# Altium PCB 电解模块主控板_V1.0_ZM_20210726.PcbDoc (part 1 of 2)
Units mm, origin at the board's own origin, x right, y up, seen from the top; angles counter-clockwise.
Board outline 150.25 x 100.26 mm, 2 copper layers (Top Layer, Bottom Layer); 209 components, 149 nets, 716 pads, 1259 vias.
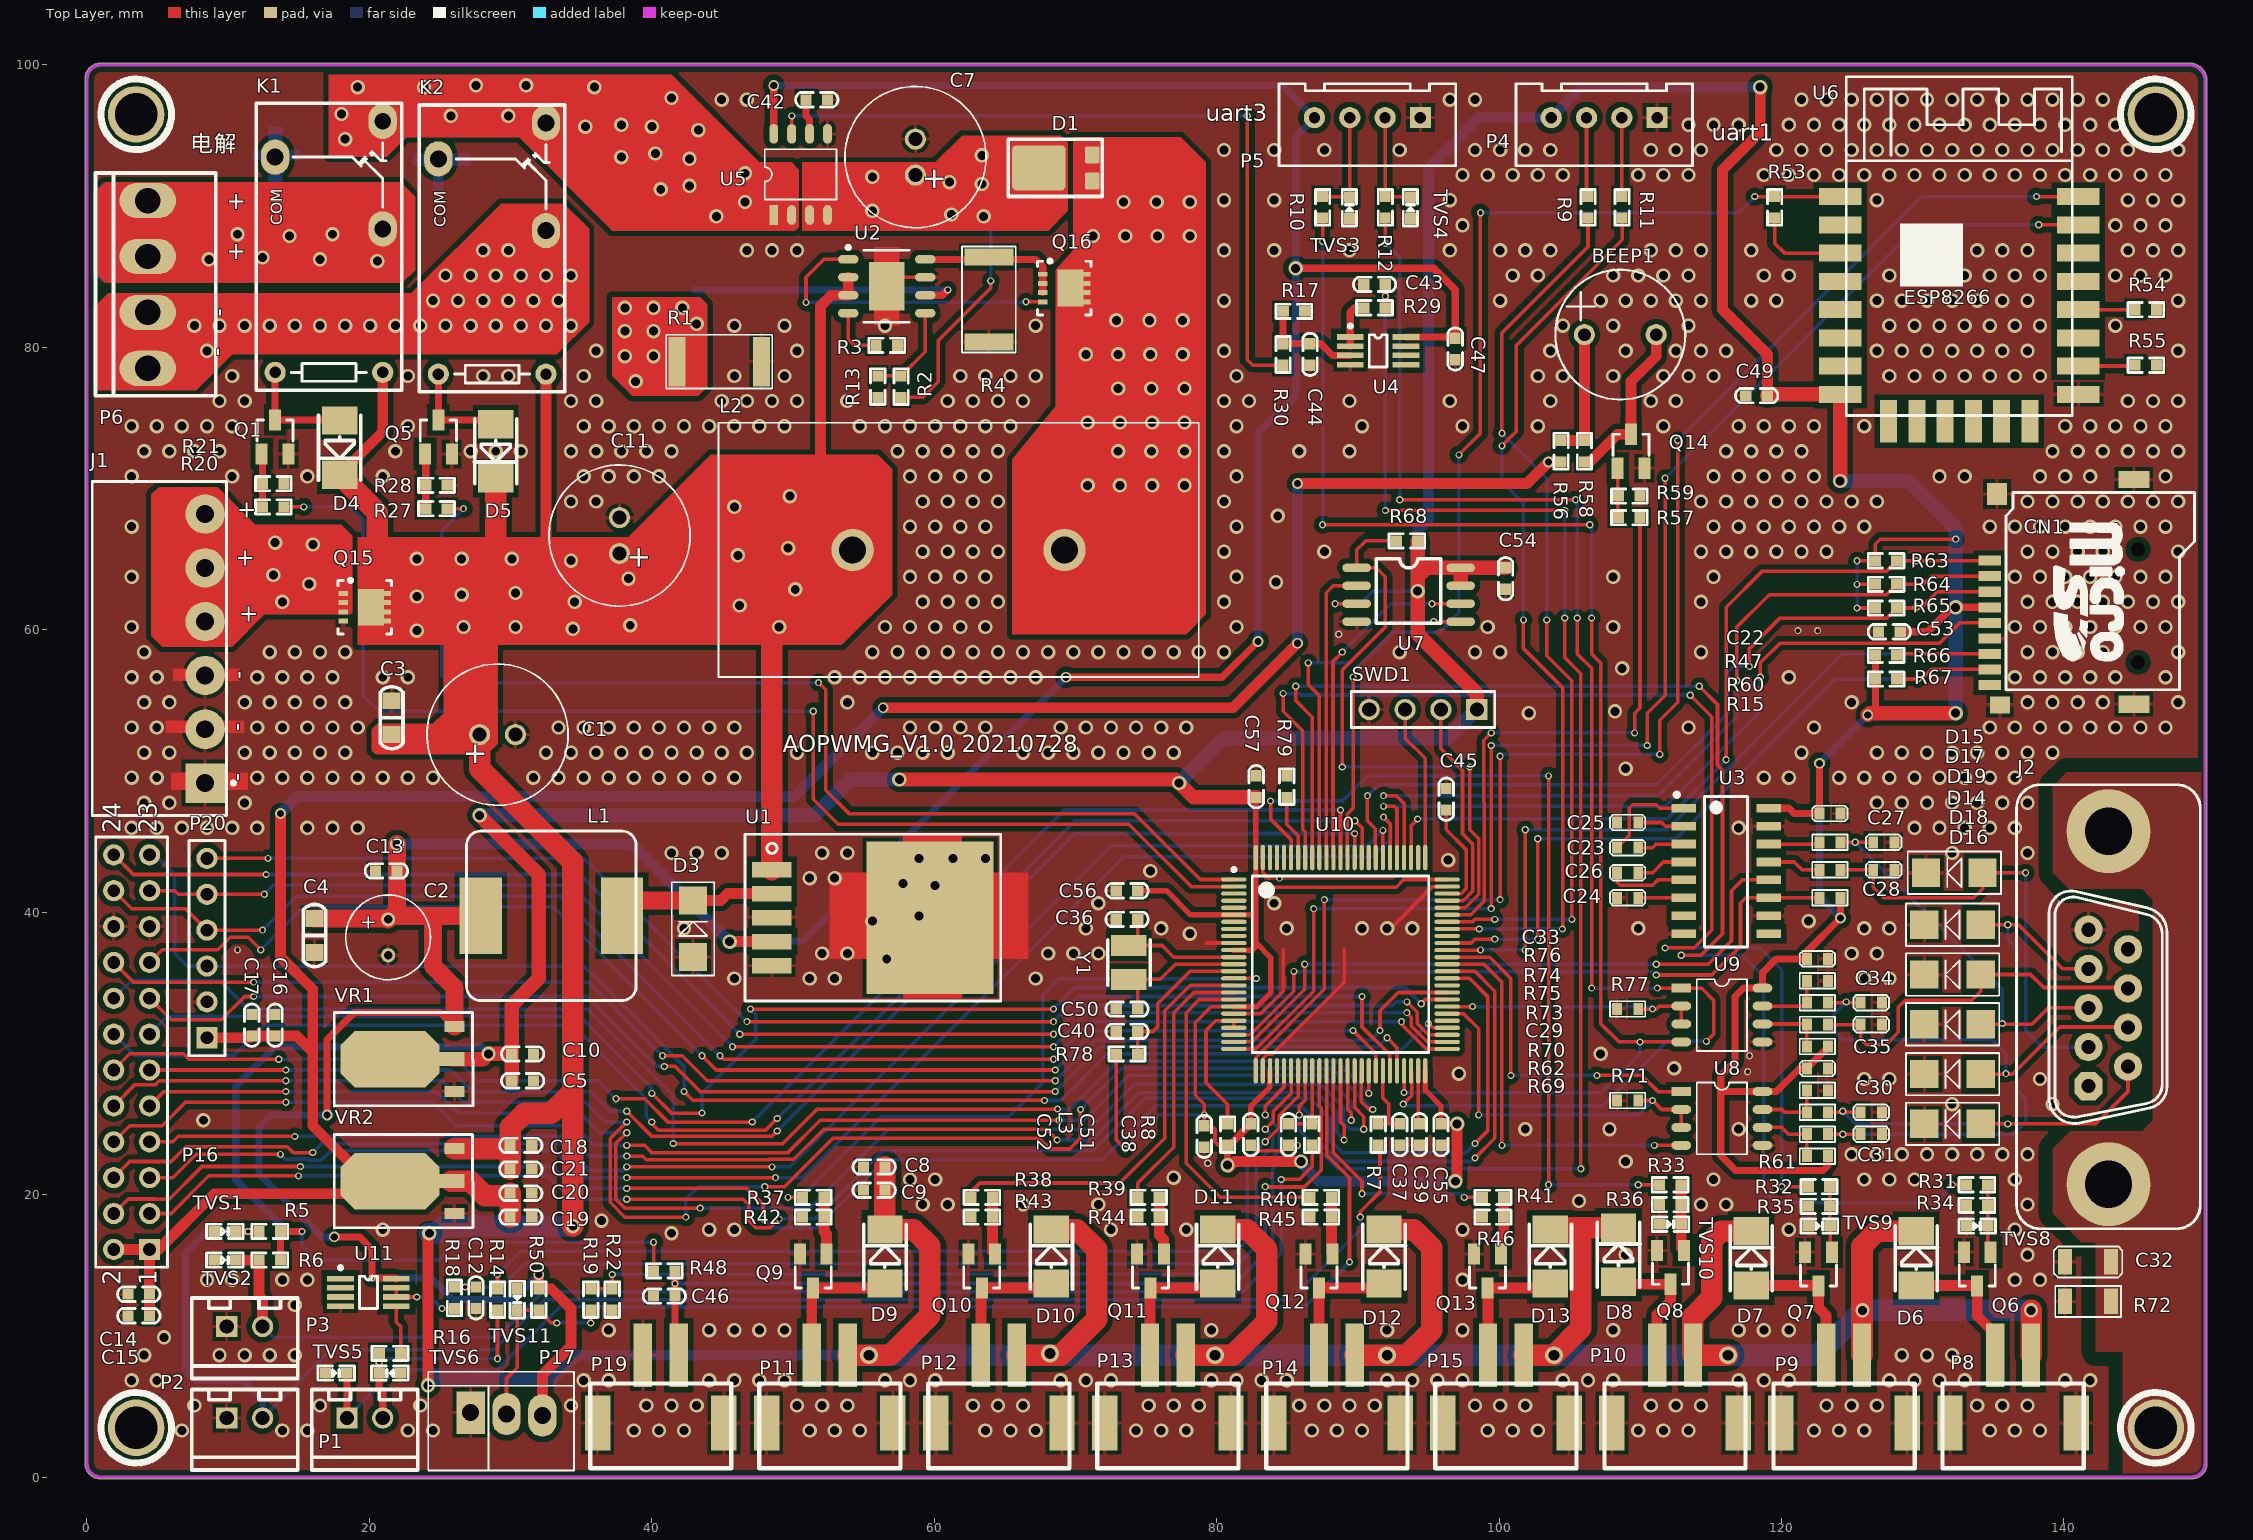
[diagram p0: Top Layer view]
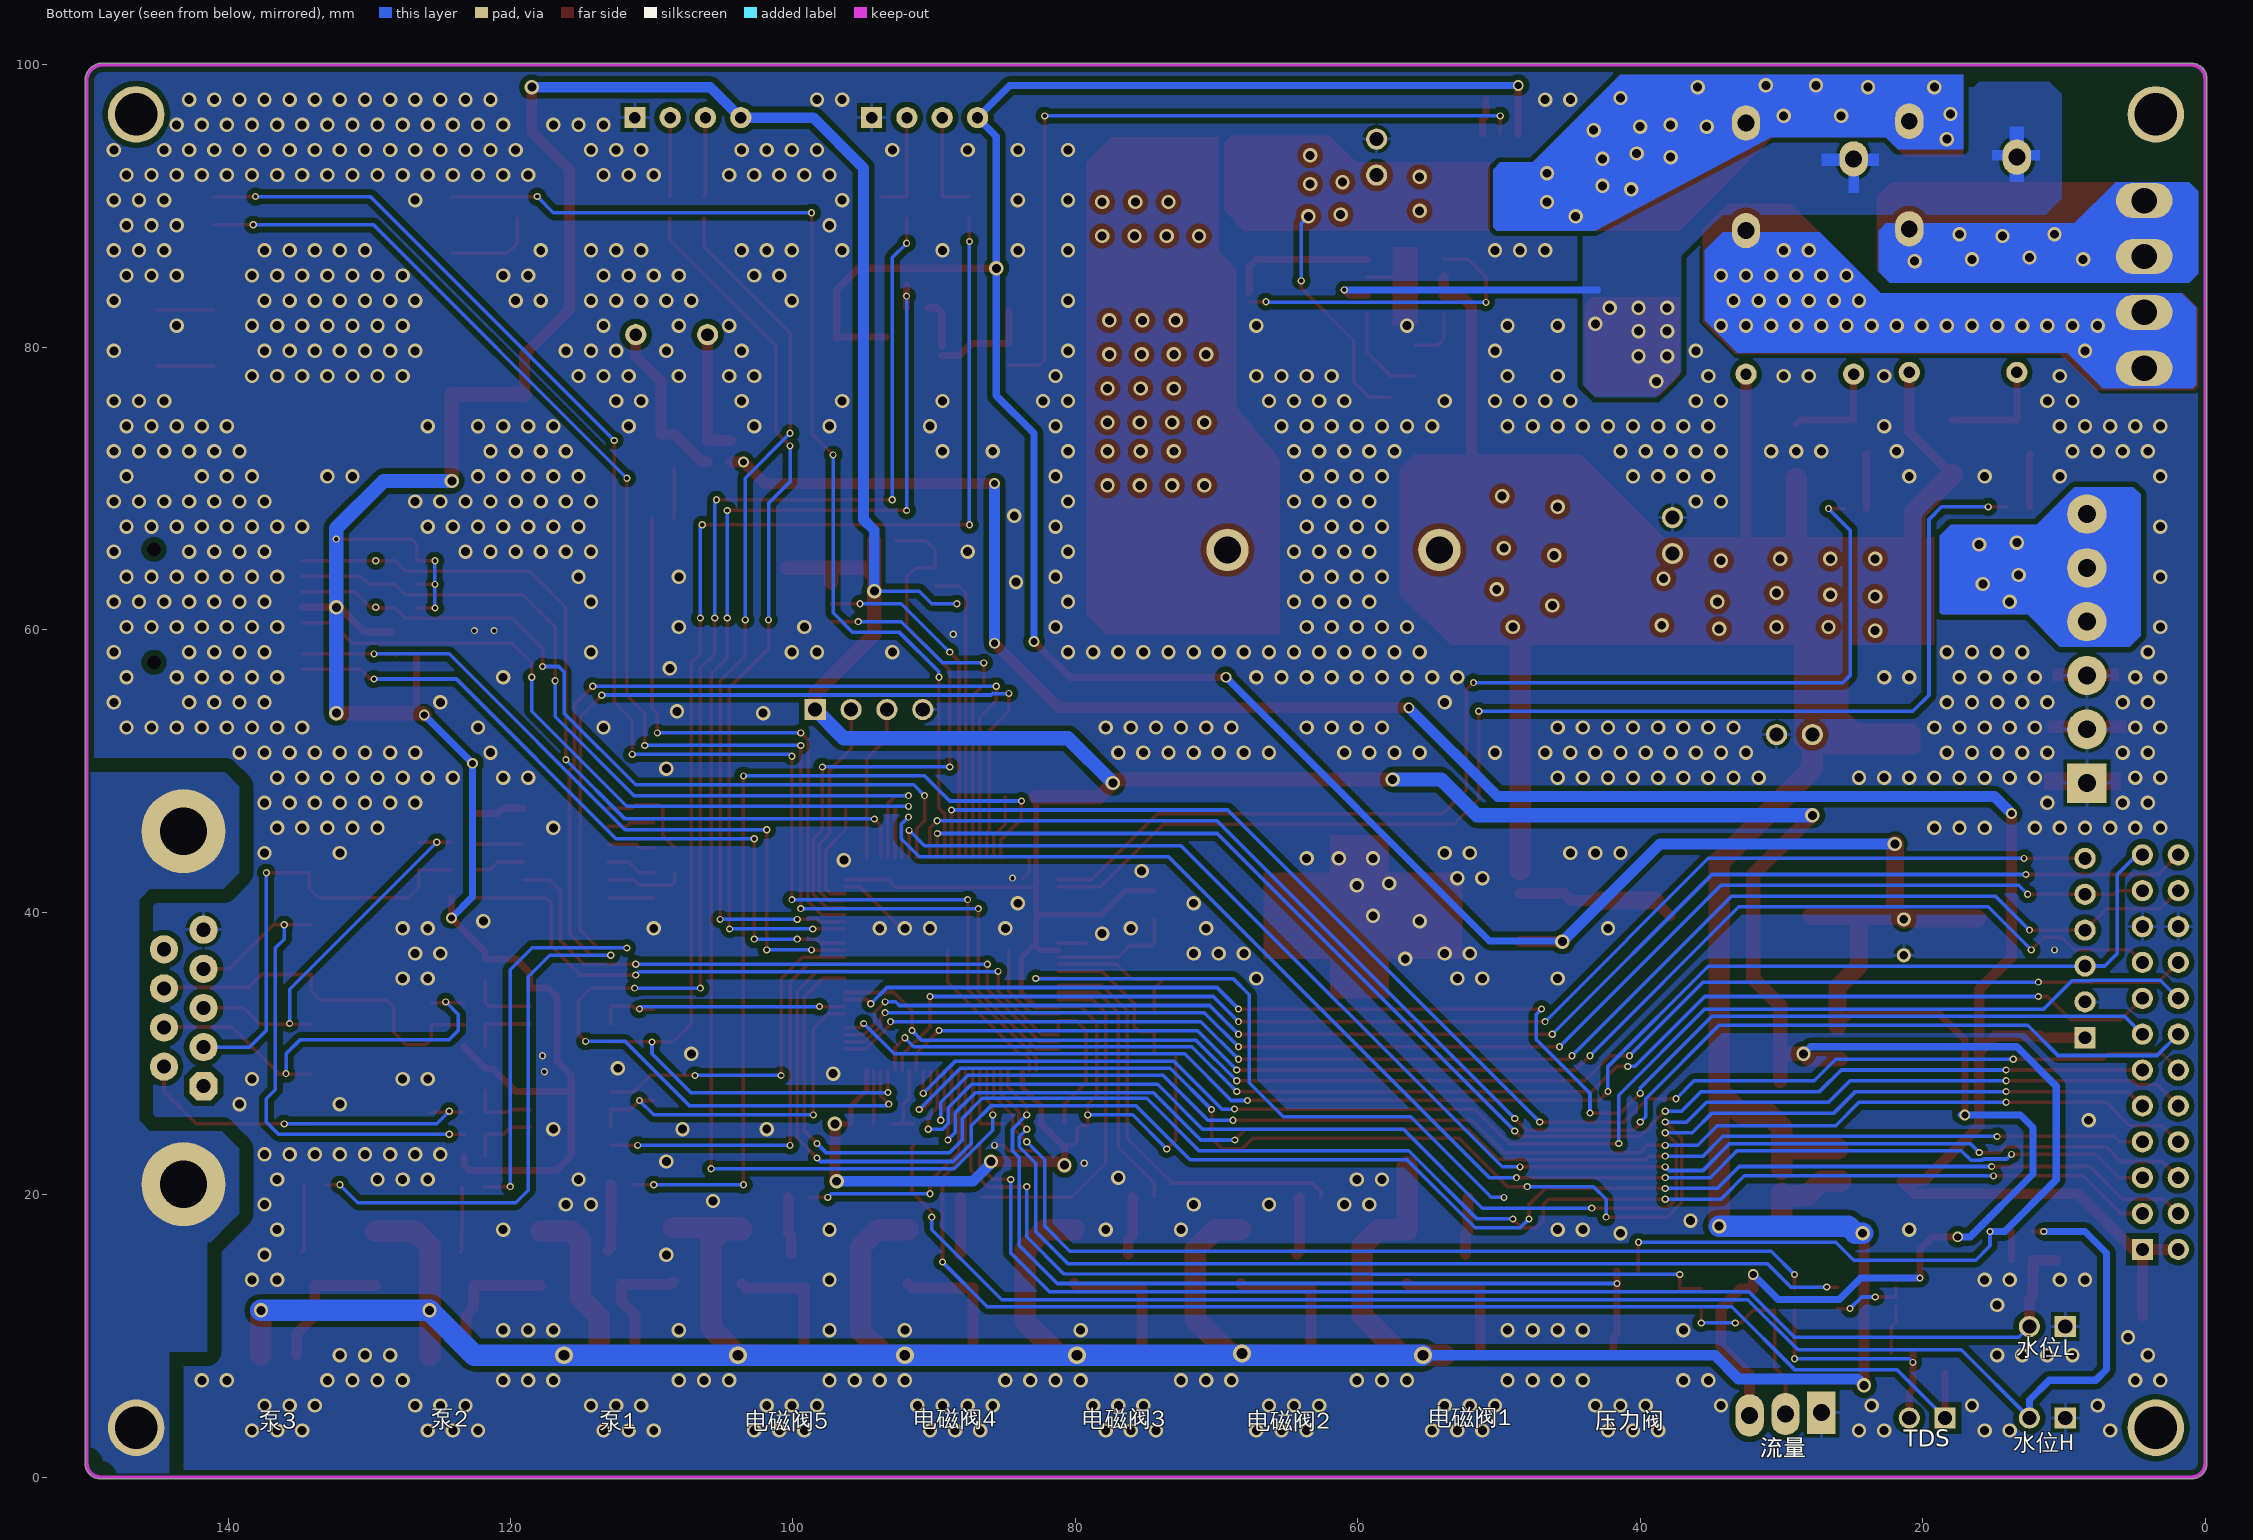
[diagram p1: Bottom Layer view, seen from below]
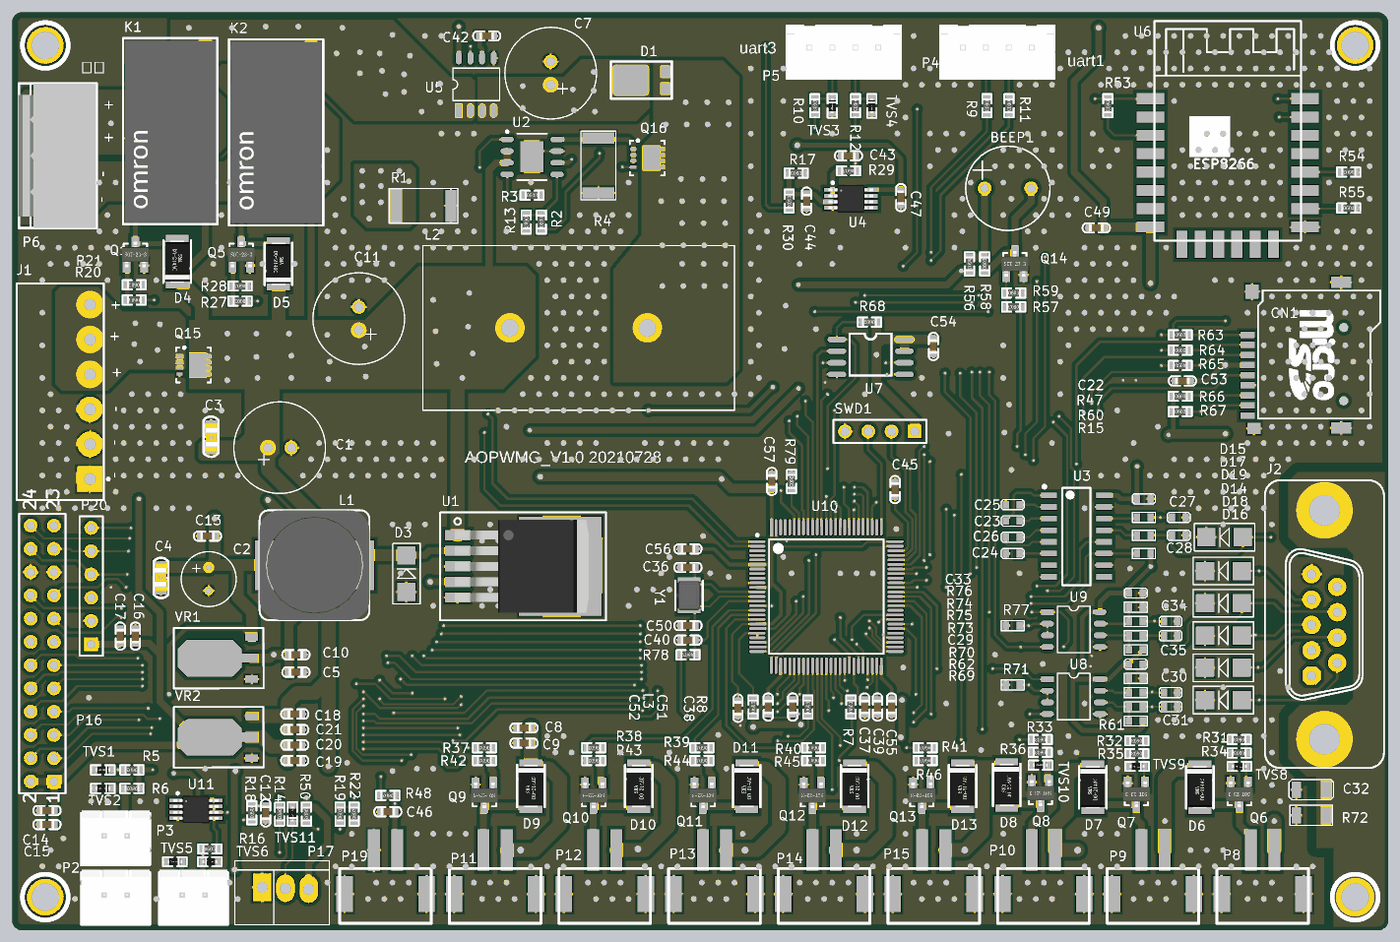
[diagram p3: 3D render of the assembled board from above, using the file's embedded part models]

## Layer stack, top to bottom
Top Solder: solder mask 0.0102, Solder Resist, Dk 3.5
Top Layer: signal copper 0.0356
Dielectric1: dielectric 0.32, FR-4, Dk 4.8
Bottom Layer: signal copper 0.0356
Bottom Solder: solder mask 0.0102, Solder Resist, Dk 3.5

## Board outline
-0.127,1 ccw(c1,1) 1,-0.127 149,-0.127 ccw(c149,1) 150.127,1 150.127,99 ccw(c150,99) 150.126,99.016 ccw(c148.859,98.859) 148.709,100.127 1,100.127 ccw(c1,99) -0.127,99

## Design rules (kind name [scope] priority, off if disabled: settings)
Clearance Clearance_2 [InNet('NetC32_2')] p1: gap=0.152 except(1.016: Poly-Poly Poly-Region)
Clearance Clearance_1 [InPolygon] p2: gap=0.381
Clearance [All] p3: gap=0.152
NetAntennae [All] p1: netantennaetolerance=5.08
PolygonConnect PolygonConnect_2 [InNet('NetC32_2')] p1: connectstyle=Direct reliefconductorwidth=0.254 reliefentries=4 polygonreliefangle="90 Angle" airgapwidth=0.254
PolygonConnect PolygonConnect_1 [isvia] p2: connectstyle=Direct reliefconductorwidth=0.254 reliefentries=4 polygonreliefangle="90 Angle" airgapwidth=0.254
PolygonConnect [All] p3: connectstyle=Relief reliefconductorwidth=0.254 reliefentries=4 polygonreliefangle="90 Angle" airgapwidth=0.254
RoutingVias [All] p1: holewidth=0.305 width=0.61 viastyle="Through Hole" minholewidth=0.203 minwidth=0.203 maxholewidth=5.08 maxwidth=5.08
SilkToSolderMaskClearance [IsPad] p1: minsilkscreentomaskgap=0.051 clearancetoexposedcopper=TRUE
SolderMaskExpansion [All] p1: expansion=0.102
Width [All] p1: maxlimit=9.144 minlimit=0.254 preferedwidth=0.254
28 further rules are at their usual default settings.

## Classes and differential pairs
component class 02_Power: C1 C2 C3 C4 C5 C8 C9 C10 C13 C14 C15 C16 C17 C18 C19 C20 C21 D3 J1 L1 Q15 U1 VR1 VR2
component class 04_Sensor: C12 C37 C38 C47 P1 P2 P3 P17 R5 R6 R7 R8 R14 R16 R18 R19 R22 R50 TVS1 TVS2 TVS5 TVS6 TVS11 U11
component class com: C22 C23 C24 C25 C26 C27 C28 C29 C30 C31 C32 C33 C34 C35 D14 D15 D16 D17 D18 D19 J2 R15 R47 R60 R61 R62 R69 R70 R71 R72 R73 R74 R75 R76 R77 U3 U8 U9
component class 05_USART: P4 P5 R9 R10 R11 R12 TVS3 TVS4
component class cpu: C36 C39 C40 C45 C50 C51 C52 C55 C56 C57 L3 R78 R79 SWD1 U10 Y1
component class 07_EL_CON: C7 C11 C42 C43 C44 D1 D4 D5 K1 K2 L2 P6 Q1 Q5 Q16 R1 R2 R3 R4 R13 R17 R20 R21 R27 R28 R29 R30 U2 U4 U5
component class 08_Peripherals: C46 D6 D7 D8 D9 D10 D11 D12 D13 P8 P9 P10 P11 P12 P13 P14 P15 P19 Q6 Q7 Q8 Q9 Q10 Q11 Q12 Q13 R31 R32 R33 R34 R35 R36 R37 R38 R39 R40 R41 R42 R43 R44 R45 R46 R48 TVS8 TVS9 TVS10
component class 10_Wifi: C49 R53 R54 R55 U6
component class 11_Speak: BEEP1 BP1 Q14 R56 R57 R58 R59
component class 13_SPI_Flash: C54 R68 U7
component class 14_SD: C53 CN1 R63 R64 R65 R66 R67
component class 15_LCD: P16 P20

## Components (designator, comment, footprint, x,y, rotation, side; value= is the part's Value field where it differs from the comment)
BEEP1 "BEEP-9.5X5.5" BEEP-9.5X5.5 108.585,80.899 r0 top
C1 "1000uF/35V" 10*16 29.083,52.578 r180 top
C2 "100uF/35V" 6*8 21.336,38.227 r90 top
C3 "104 50V" SMD-0805C 21.59,53.778 r270 top
C4 "104 50V" SMD-0805C 16.129,38.354 r90 top
C5 "10uF 25V" SMD-0603C 30.861,28.067 r180 top
C7 "1000uF/35V" 10*16 58.674,93.472 r270 top
C8 "10uF 10V" SMD-0603C 55.753,21.971 r0 top
C9 "104 50V" SMD-0603C 55.753,20.32 r0 top
C10 "104 50V" SMD-0603C 30.861,29.972 r180 top
C11 "1000uF/35V" 10*16 37.719,66.675 r270 top
C12 "NC" SMD-0603C 27.559,12.7 r90 top
C13 "104 50V" SMD-0603C 21.209,42.926 r0 top
C14 "10uF 10V" SMD-0603C 3.683,12.954 r0 top
C15 "104 50V" SMD-0603C 3.683,11.43 r0 top
C16 "10uF 10V" SMD-0603C 13.335,32.004 r270 top
C17 "104 50V" SMD-0603C 11.684,32.004 r270 top
C18 "10uF 25V" SMD-0603C 30.734,23.495 r180 top
C19 "104 50V" SMD-0603C 30.734,18.415 r180 top
C20 "10uF 10V" SMD-0603C 30.734,20.108 r180 top
C21 "104 50V" SMD-0603C 30.734,21.802 r180 top
C22 "104 50V" 0603C 122.682,46.99 r0 top
C23 "104 50V" 0603C 108.355,44.577 r0 top
C24 "104 50V" 0603C 109.855,41.021 r180 top
C25 "104 50V" 0603C 109.855,46.355 r180 top
C26 "104 50V" 0603C 108.355,42.799 r0 top
C27 "220PF/16V" 0603C 126.492,44.958 r0 top
C28 "220PF/16V" 0603C 126.492,43.011 r0 top
C29 "104 50V" 0603C 121.793,28.942 r0 top
C30 "220PF/16V" 0603C 125.603,25.837 r0 top
C31 "220PF/16V" 0603C 125.603,24.285 r0 top
C32 "1NF/2KV" 1206C 140.081,15.24 r0 top
C33 "104 50V" 0603C 121.793,36.703 r0 top
C34 "220PF/16V" 0603C 125.603,33.599 r0 top
C35 "220PF/16V" 0603C 125.603,32.046 r0 top
C36 "12P/50V" SMD-0603C 73.66,39.497 r180 top
C37 "104 50V" SMD-0603C 92.964,24.257 r90 top
C38 "104 50V" SMD-0603C 85.09,24.257 r90 top
C39 "4.7uF/10V/NC" SMD-0603C 94.361,24.257 r90 top
C40 "1uF/10V" SMD-0603C 73.66,31.559 r0 top
C42 "104 50V" SMD-0603C 51.689,97.536 r0 top
C43 "NC" SMD-0603C 91.186,84.455 r0 top
C44 "104 50V" SMD-0603C 86.614,79.502 r270 top
C45 "4.7uF/10V/NC" SMD-0603C 96.266,48.006 r270 top
C46 "104 50V" SMD-0603C 40.894,12.827 r0 top
C47 "10uF 10V" SMD-0603C 96.901,79.883 r90 top
C49 "104 50V" SMD-0603C 118.237,76.581 r0 top
C50 "12P/50V" SMD-0603C 73.66,33.147 r180 top
C51 "104 50V" SMD-0603C 82.423,24.257 r90 top
C52 "104 50V" SMD-0603C 79.121,24.13 r90 top
C53 "104 50V" SMD-0603C 127.635,59.868 r180 top
C54 "104 50V" SMD-0603C 100.457,63.627 r270 top
C55 "104 50V" SMD-0603C 95.885,24.257 r90 top
C56 "104 50V" SMD-0603C 73.66,41.529 r0 top
C57 "104 50V" SMD-0603C 82.804,48.895 r270 top
CN1 "MicroSD Card" SD_Card_TF 134.747,64.897 r270 top
D1 "SB1545L" TO227 67.945,92.71 r90 top
D3 "SS34" SMA 42.926,36.83 r90 top
D4 "1N4007" DO-214-AC 17.907,72.898 r270 top
D5 "1N4007" DO-214-AC 28.956,72.644 r270 top
D6 "1N4007" DO-214-AC 129.54,15.494 r90 top
D7 "1N4007" DO-214-AC 117.856,15.494 r90 top
D8 "1N4007" DO-214-AC 108.458,15.748 r90 top
D9 "1N4007" DO-214-AC 56.515,15.621 r90 top
D10 "1N4007" DO-214-AC 68.294,15.621 r90 top
D11 "1N4007" DO-214-AC 80.073,15.621 r90 top
D12 "1N4007" DO-214-AC 91.853,15.621 r90 top
D13 "1N4007" DO-214-AC 103.632,15.621 r90 top
D14 "SMAJ18CA" SMA 134.112,32.067 r180 top
D15 "SMAJ18CA" SMA 134.239,42.799 r180 top
D16 "SMAJ6.5CA" SMA 134.112,25.019 r180 top
D17 "SMAJ6.5CA" SMA 134.112,39.116 r180 top
D18 "SMAJ6.5CA" SMA 134.112,28.543 r180 top
D19 "SMAJ6.5CA" SMA 134.112,35.592 r180 top
J1 "HEADER_6" DB2ERC-3P81-6P 8.382,49.149 r90 top
J2 "DB-9P-02" DIP-9 141.732,27.686 r90 top
K1 "G5Q-14-DC12" G5Q-14 17.145,87.122 r90 top
K2 "G5Q-14-DC12" G5Q-14 28.702,86.995 r90 top
L1 "33uH" CDRH-127 32.893,39.751 r180 top
L2 "33uH/15A" INDUCTOR_34*18 54.229,65.659 r0 top
L3 "MPZ1608D101BTA00" SMD-0603 80.772,24.257 r90 top
P1 "XH2.54 2P" SIP-2A 19.685,4.191 r0 top
P2 "XH2.54 2P" SIP-2A 11.176,4.191 r0 top
P3 "XH2.54 2P" SIP-2A 11.176,10.668 r0 top
P4 "1*4P" XH2.54-4A 107.442,96.266 r180 top
P5 "1*4P" XH2.54-4A 90.678,96.266 r180 top
P6 "SIP-4" VH-AW-3.96*4P 4.318,84.455 r90 top
P8 "SIP-2" XH-2.54-2P-LI 136.398,8.636 r180 top
P9 "SIP-2" XH-2.54-2P-LI 124.428,8.636 r180 top
P10 "SIP-2" XH-2.54-2P-LI 112.459,8.636 r180 top
P11 "SIP-2" XH-2.54-2P-LI 52.61,8.636 r180 top
P12 "SIP-2" XH-2.54-2P-LI 64.579,8.636 r180 top
P13 "SIP-2" XH-2.54-2P-LI 76.549,8.636 r180 top
P14 "SIP-2" XH-2.54-2P-LI 88.519,8.636 r180 top
P15 "SIP-2" XH-2.54-2P-LI 100.489,8.636 r180 top
P16 "Header 12X2" HDR2X12 4.445,16.129 r90 top
P17 "1*3P" 3X2.54MMZ2 27.178,4.572 r0 top
P19 "SIP-2" XH-2.54-2P-LI 40.64,8.636 r180 top
P20 "Header 6" HDR1X6 8.509,31.115 r90 top
Q1 "SS8050" SOT-23 13.335,73.66 r0 top
Q5 "SS8050" SOT-23 24.892,73.66 r0 top
Q6 "AO3400" SOT-23 133.858,14.732 r180 top
Q7 "AO3400" SOT-23 122.618,14.732 r180 top
Q8 "AO3400" SOT-23 112.141,14.859 r180 top
Q9 "SS8050" SOT-23 51.435,14.605 r180 top
Q10 "SS8050" SOT-23 63.373,14.605 r180 top
Q11 "SS8050" SOT-23 75.311,14.605 r180 top
Q12 "SS8050" SOT-23 87.249,14.605 r180 top
Q13 "SS8050" SOT-23 99.187,14.605 r180 top
Q14 "S8050" SOT-23 109.347,72.644 r0 top
Q15 "AON7426" DFN3*3-8 19.685,61.595 r270 top
Q16 "AON7506" DFN3*3-8 69.215,84.201 r270 top
R1 "0.03/1w" 2512R 41.783,78.994 r0 top
R2 "23K/1%" SMD-0603 57.658,77.216 r90 top
R3 "38.3K/1%" SMD-0603 56.642,80.137 r0 top
R4 "0.027/1%" 2512r 63.881,86.391 r270 top
R5 "10K" SMD-0603 12.954,17.399 r180 top
R6 "10K" SMD-0603 12.954,15.367 r180 top
R7 "10K" SMD-0603 91.44,24.257 r90 top
R8 "10K" SMD-0603 86.741,24.257 r90 top
R9 "10R" SMD-0603 106.299,89.916 r270 top
R10 "100R" SMD-0603 87.503,89.916 r270 top
R11 "10R" SMD-0603 108.712,89.916 r270 top
R12 "100R" SMD-0603 91.948,89.916 r270 top
R13 "1K/1%" SMD-0603 56.007,77.216 r270 top
R14 "510K" SMD-0603 29.083,12.573 r270 top
R15 "4.75K 1%" 0603R 124.182,41.021 r180 top
R16 "10K" SMD-0603 21.463,8.763 r0 top
R17 "10K" SMD-0603 85.471,82.55 r180 top
R18 "4.7K" SMD-0603 26.035,12.7 r270 top
R19 "10K" SMD-0603 35.687,12.573 r90 top
R20 "1K" SMD-0603 13.208,68.707 r180 top
R21 "47K" SMD-0603 13.208,70.358 r180 top
R22 "20K" SMD-0603 37.211,12.573 r90 top
R27 "1K" SMD-0603 24.765,68.58 r180 top
R28 "47K" SMD-0603 24.765,70.231 r180 top
R29 "100R" SMD-0603 91.186,82.804 r180 top
R30 "10K" SMD-0603 84.709,79.502 r270 top
R31 "100R" SMD-0603 133.833,20.701 r180 top
R32 "100R" SMD-0603 122.657,20.574 r180 top
R33 "100R" SMD-0603 112.116,20.701 r180 top
R34 "10K" SMD-0603 133.833,19.241 r180 top
R35 "10K" SMD-0603 122.657,19.177 r180 top
R36 "10K" SMD-0603 112.116,19.304 r180 top
R37 "1K" SMD-0603 51.435,19.812 r180 top
R38 "1K" SMD-0603 63.373,19.812 r180 top
R39 "1K" SMD-0603 75.184,19.812 r180 top
R40 "1K" SMD-0603 87.376,19.812 r180 top
R41 "1K" SMD-0603 99.568,19.812 r180 top
R42 "10K" SMD-0603 51.435,18.415 r180 top
R43 "10K" SMD-0603 63.373,18.415 r180 top
R44 "10K" SMD-0603 75.184,18.415 r180 top
R45 "10K" SMD-0603 87.376,18.415 r180 top
R46 "10K" SMD-0603 99.568,18.415 r180 top
R47 "22R 5%" 0603R 122.682,44.958 r0 top
R48 "10K" SMD-0603 40.894,14.605 r180 top
R50 "10K" SMD-0603 32.004,12.573 r270 top
R53 "1K" SMD-0603 119.507,89.916 r270 top
R54 "NC" SMD-0603 145.796,82.677 r180 top
R55 "1K" SMD-0603 145.796,78.74 r0 top
R56 "51R" SMD-0603 104.394,72.644 r270 top
R57 "4.7K" SMD-0603 109.22,67.945 r180 top
R58 "1K" SMD-0603 106.045,72.644 r90 top
R59 "47K" SMD-0603 109.22,69.469 r0 top
R60 "22R 5%" 0603R 122.682,43.011 r0 top
R61 "750R 5%" 0603R 121.793,22.733 r0 top
R62 "8.2R 5%" 0603R 121.793,25.837 r0 top
R63 "4.7K" SMD-0603 127.406,64.897 r0 top
R64 "4.7K" SMD-0603 127.406,63.221 r0 top
R65 "4.7K" SMD-0603 127.406,61.544 r0 top
R66 "4.7K" SMD-0603 127.406,58.191 r0 top
R67 "4.7K" SMD-0603 127.406,56.515 r0 top
R68 "4.7K" SMD-0603 93.472,66.294 r180 top
R69 "8.2R 5%" 0603R 121.793,24.285 r0 top
R70 "750R 5%" 0603R 121.793,27.39 r0 top
R71 "10K 1%" 0603R 109.855,26.67 r180 top
R72 "10M 5%" 1206r 140.081,12.446 r0 top
R73 "750R 5%" 0603R 121.793,30.494 r0 top
R74 "8.2R 5%" 0603R 121.793,33.599 r0 top
R75 "8.2R 5%" 0603R 121.793,32.046 r0 top
R76 "750R 5%" 0603R 121.793,35.151 r0 top
R77 "10K 1%" 0603R 109.855,33.147 r180 top
R78 "10K" SMD-0603 73.66,29.972 r180 top
R79 "100K" SMD-0603 84.963,48.895 r270 top
SWD1 "SIP-4 (NC)" SIP-4 94.615,54.356 r180 top
TVS1 "ESD5Z5.0T1G" SOD-523 9.779,17.399 r0 top
TVS2 "ESD5Z5.0T1G" SOD-523 9.779,15.367 r0 top
TVS3 "ESD5Z5.0T1G" SOD-523 89.408,89.891 r90 top
TVS4 "ESD5Z5.0T1G" SOD-523 93.726,89.891 r90 top
TVS5 "ESD5Z5.0T1G" SOD-523 17.653,7.366 r0 top
TVS6 "ESD5Z5.0T1G" SOD-523 21.463,7.366 r180 top
TVS8 "ESD5Z5.0T1G" SOD-523 133.858,17.78 r0 top
TVS9 "ESD5Z5.0T1G" SOD-523 122.682,17.78 r0 top
TVS10 "ESD5Z5.0T1G" SOD-523 112.141,17.907 r0 top
TVS11 "CESD5V0D1" SOD-523 30.48,12.573 r270 top
U1 "LM2596S 5.0V" TO-263-5 48.514,39.624 r270 top
U2 "OC6781" SOP127P600X265_HS-9N 56.642,84.328 r0 top
U3 "TPT3232E-SO3R" SO-16Z 113.068,47.371 r0 top
U4 "SGM358YMS/TR" MSOP-8 91.44,79.756 r0 top
U5 "ACS712ELCTR-20A-T" SO-8 48.641,89.373 r90 top
U6 "ESP-12F" ESP-12F 123.952,90.678 r0 top
U7 "W25Q128FVSIG" SO-8W 89.916,64.389 r0 top
U8 "TP8485E-SR" SO-8 112.903,27.305 r0 top
U9 "TP8485E-SR" SO-8 112.903,34.629 r0 top
U10 "GD32F405VGTx" STM-LQFP100_N 88.773,36.322 r0 top
U11 "SGM358YMS/TR" MSOP-8 19.939,13.081 r0 top
VR1 "LM1117 3.3V" SOT223 26.035,27.305 r90 top
VR2 "LM1117 5.0V" SOT223 26.035,18.669 r90 top
Y1 "8MHz" XTAL-3225-2 73.787,36.449 r90 top
